# Altium PCB Brake Module PCB.PcbDoc (continued)
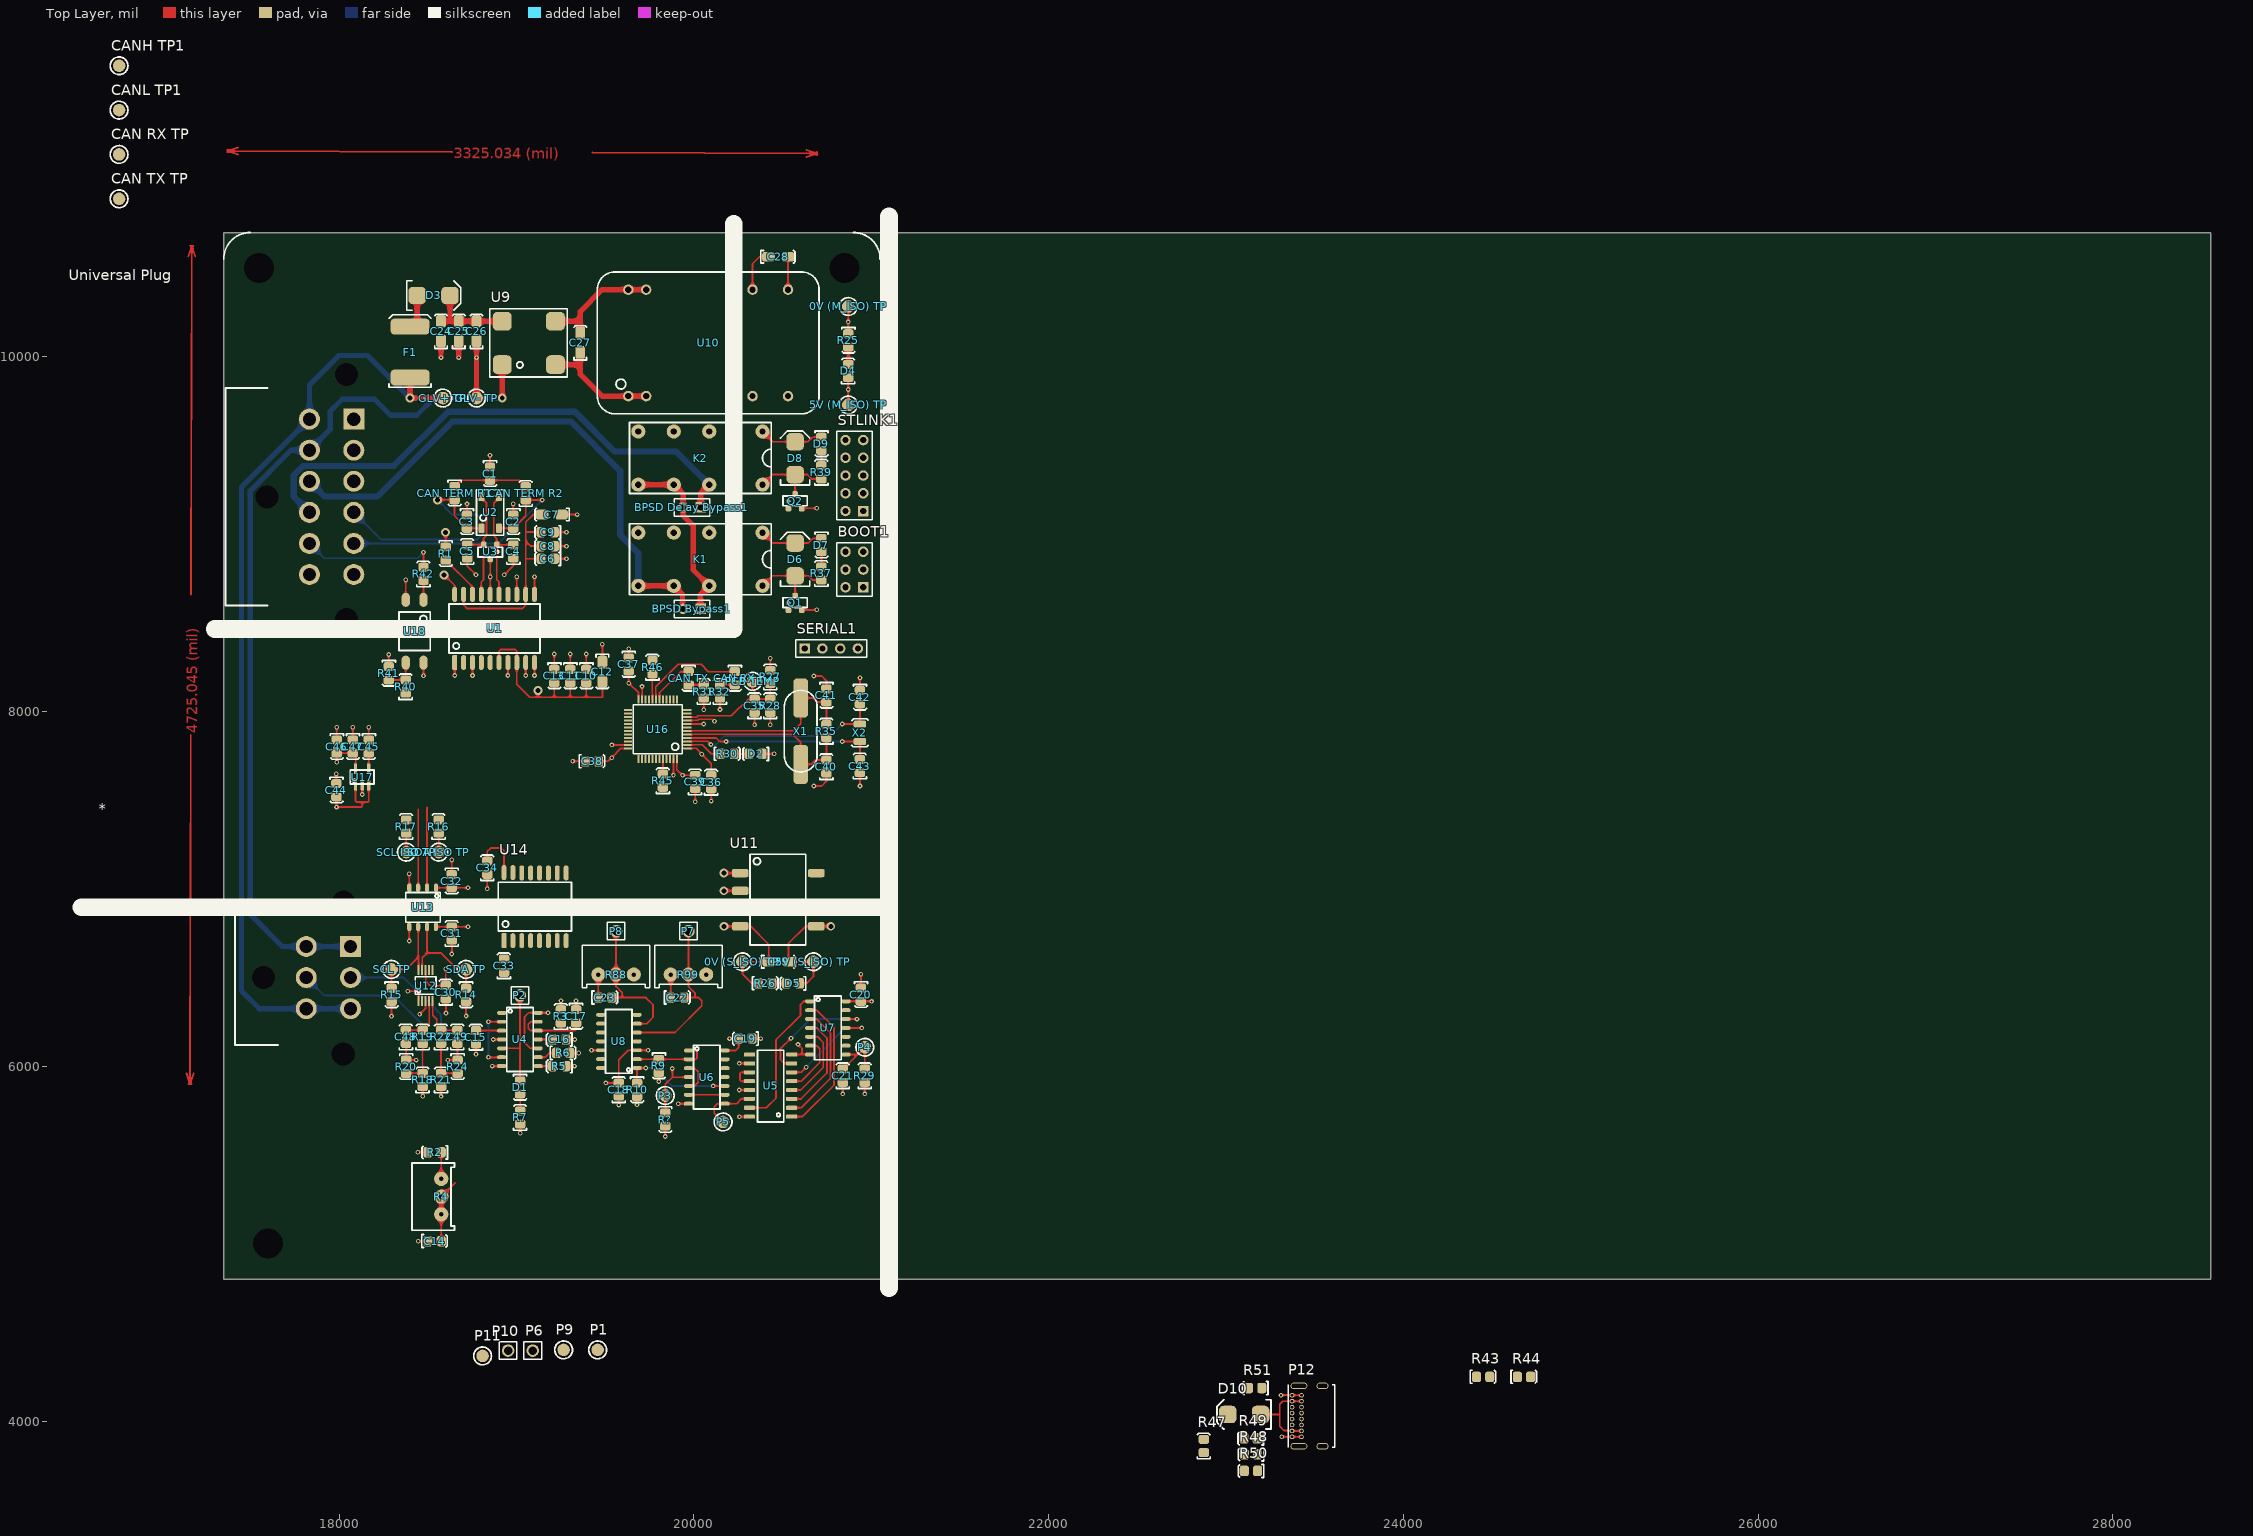
[diagram p0: Top Layer view]
## Part data
"0V (M_ISO) TP" "0V (S_ISO) TP" "5V (M_ISO) TP" "5V (S_ISO) TP" "CAN RX TP" "CAN TX TP" "CANH TP1" "CANL TP1" "GLV+ TP" "GLV- TP" P1 P3 P4 P5 P9 P11 "PCB TEMP" "SCL ISO TP" "SCL TP" "SDA ISO TP" "SDA TP": library part "SMD Test Point", Angle=0, Contact=NA, Flange=No, Part Number="SMD Test Point", Pitch=0mm, Positions=1, Row Spacing=0
*: library part DT13-6P[[/\]]DT13-6P, Digikey Part Number=1734-1025-ND, Angle=90, Contact="Copper Alloy", Digikey Link=https://www.digikey.com/product-detail/en/te-connectivity-deutsch-connectors/DT13-6P/1734-1025-ND/6566589, Flange=Yes, Part Number=DT13-6P, Pitch=4.44mm, Positions=6, Row Spacing=6.35mm
BOOT1: library part "TH 2.54mm Header 2x3", Angle=0, Contact=NA, Flange=No, Part Number="TH 2.54mm Header 2x3", Pitch=2.54mm, Positions=6, Row Spacing=2.54mm
"BPSD Bypass1" "BPSD Delay Bypass1": library part "TH 2.54mm Header 1x2", Angle=0, Contact=NA, Flange=No, Part Number="TH 2.54mm Header 1x2", Pitch=2.54mm, Positions=2, Row Spacing=2.54mm
C1 C40 C41 C42 C43: library part GCM21B5C1H220JA37L, Manufacturer=muRata, Rated Voltage=50V, Tolerance=5%, Material=C0G, Part Number=GCM21B5C1H220JA37L
C2 C3 C4 C5: library part GCM21B5C1H101JA37L, Manufacturer=muRata, Rated Voltage=50V, Tolerance=5%, Material=C0G, Part Number=GCM21B5C1H101JA37L
C6 C9 C11 C13 C18 C19 C20 C21 C22 C23 C30 C31 C32 C33 C34 C35 C37 C38 C39 C46 C48 C49: library part GCM21BR71E104KA37L, Manufacturer=muRata, Rated Voltage=25V, Tolerance=10%, Material=X7R, Part Number=GCM21BR71E104KA37L
C7 C12: library part GCM3195C2A103JA16D, Digikey Part Number=490-4978-2-ND, Manufacturer=muRata, Rated Voltage=100V, Tolerance=5%, Material=Ceramic, Part Number=GCM3195C2A103JA16D
C8 C10 C14 C17: library part GRM21BR6YA106KE43L, Digikey Part Number=490-10514-6-ND, Manufacturer=muRata, Rated Voltage=50V, Tolerance=10%, Material=X5R, Part Number=GRM21BR6YA106KE43L
C15 C16: library part GCM21B5C1H100JA37L, Manufacturer=muRata, Rated Voltage=50V, Tolerance=5%, Material=C0G, Part Number=GCM21B5C1H100JA37L
C24 C25 C26 C27 C28 C29: library part CC1206MKX5R7BB226, Digikey Part Number=311-1997-2-ND, Manufacturer=YAGEO, Rated Voltage=16V, Tolerance=20%, Material=Ceramic, Part Number=CC1206MKX5R7BB226
C36 C44 C47: library part AC0805KKX7R8BB105, Manufacturer=YAGEO, Rated Voltage=25V, Tolerance=10%, Material=X7R, Part Number=AC0805KKX7R8BB105
C45: library part GRM21BR61A226ME51L, Digikey Part Number=490-10511-1-ND, Manufacturer=muRata, Rated Voltage=10V, Tolerance=20%, Material=X5R, Part Number=GRM21BR61A226ME51L
"CAN RX" "CAN TX": library part SML-MN2BCTT86C, "LED BLUE CLEAR 2012 SMD", Digikey Part Number=846-1207-1-ND, Manufacturer="ROHM Semiconductor", Colour=Blue, Digikey Link=https://www.digikey.com/product-detail/en/rohm-semiconductor/SMLMN2BCTT86C/846-1207-1-ND/6057239, Part Number=SML-MN2BCTT86C
"CAN TERM R1" "CAN TERM R2": library part RC0805FR0756RL, Manufacturer=YAGEO, Rated Voltage=0.125W, Tolerance=0.01, Material=FR-07, Part Number=RC0805FR0756RL
D1: library part SML-211YTT86, "Yellow LED Indication - Discrete 1.75V 0805 (2012 Metric)", Digikey Part Number=511-1293-1-ND, Manufacturer="ROHM Semiconductor", Colour=Yellow, Digikey Link=https://www.digikey.com/product-detail/en/rohm-semiconductor/SML-211YTT86/511-1293-1-ND/637106, Part Number=SML-211YTT86
D2 D4 D5: library part SML-210LTT86, "Red LED Indication - Discrete 1.75V 0805 (2012 Metric)", Digikey Part Number=511-1286-1-ND, Manufacturer="ROHM Semiconductor", Colour=Red, Digikey Link=https://www.digikey.com/product-detail/en/rohm-semiconductor/SML-210LTT86/511-1286-1-ND/637099, Part Number=SML-210LTT86
D3 D6 D8 D10: "1.2V_F 600V 5A SMB", Digikey Part Number=1655-1530-2-ND, Manufacturer="SMC Diode Solutions", Digikey Link=https://www.digikey.com/product-detail/en/smc-diode-solutions/SD560BTR/1655-1530-2-ND/6022620, Part Number=SD560BTR
D7 D9: library part SML-210FTT86, "Green LED Indication - Discrete 1.75V 0805 (2012 Metric)", Digikey Part Number=511-1285-1-ND, Manufacturer="ROHM Semiconductor", Colour=Green, Digikey Link=https://www.digikey.com/product-detail/en/rohm-semiconductor/SML-210FTT86/511-1285-1-ND/637098, Part Number=SML-210FTT86
F1: "SMD 24V 2A Fuse", Digikey Part Number=507-1749-2-ND, Manufacturer="Bel Fuse Inc", Digikey Link=https://www.digikey.com/product-detail/en/bel-fuse-inc/0ZCF0200AF2C/507-1749-2-ND/4156090, Part Number=0ZCF0200AF2C
K1 K2: "5V DPDT Relay 3A 220VDC", Digikey Part Number=PB383-ND, Manufacturer=Axicom, Digikey Link=https://www.digikey.com/products/en?mpart=V23105A5001A201&v=41, Part Number=V23105A5475A201
P2 P6 P7 P8 P10: library part "TH Test Point", Angle=0, Contact=NA, Flange=No, Part Number="TH Test Point", Pitch=0mm, Positions=1, Row Spacing=0mm
P12: "USB - C (Type - C) USB 2.0 Receptacle Connector 16 Position Through Hole, Right Angle", Digikey Part Number=2073-USB4085-GF-ACT-ND, Angle=90, Digikey Link=https://www.digikey.ee/product-detail/en/gct/USB4085-GF-A/2073-USB4085-GF-ACT-ND/9859733, Part Number=USB4085-GF-A
Q1 Q2: "60V 380mA, NFET MOSTFET (Small Signal)", Digikey Part Number=2N7002KCT-ND, Manufacturer="ON Semiconductor", Digikey Link=https://www.digikey.com/product-detail/en/on-semiconductor/2N7002K/2N7002KCT-ND/2060375, LatestRevisionDate=29-May-2009, LatestRevisionNote="IPC-7351 Footprint Added.", PackageDescription="4-Pin SOT-343 Package 1.3 mm Pitch, 2.1 mm Lead Span", PackageReference=SOT-343, PackageVersion=Sep-2000, Part Number=2N7002K, Published=24-Mar-1999, Publisher="Altium Limited", Qty=30
R1 R18 R21: library part RC0805FR070RL, Manufacturer=YAGEO, Rated Voltage=0.125W, Tolerance=0.01, Material=FR-07, Part Number=RC0805FR070RL
R2 R27 R29 R41 R45 R46: library part RC0805FR0710KL, Manufacturer=YAGEO, Rated Voltage=0.125W, Tolerance=0.01, Material=FR-07, Part Number=RC0805FR0710KL
R3: library part RC0805FR071ML, Manufacturer=YAGEO, Rated Voltage=0.125W, Tolerance=0.01, Material=FR-07, Part Number=RC0805FR071ML
R4 R88 R99: library part 3296W-1-103LF, Digikey Part Number=3296W-103LF-ND, Manufacturer="Bournes Inc", Rated Voltage=0.5W, Tolerance=0.1, Part Number=3296W-1-103LF
R5 R6 R?: library part RC0805FR0720KL, Manufacturer=YAGEO, Rated Voltage=0.125W, Tolerance=0.01, Material=FR-07, Part Number=RC0805FR0720KL
R7 R47: library part RC0805FR071K5L, Manufacturer=YAGEO, Rated Voltage=0.125W, Tolerance=0.01, Material=FR-07, Part Number=RC0805FR071K5L
R9 R10 R14 R15 R16 R17: library part RC0805FR073K3L, Manufacturer=YAGEO, Rated Voltage=0.125W, Tolerance=0.01, Material=FR-07, Part Number=RC0805FR073K3L
R19 R22: library part RC0805FR071KL, Manufacturer=YAGEO, Rated Voltage=0.125W, Tolerance=0.01, Material=FR-07, Part Number=RC0805FR071KL
R20 R24: library part RC0805FR07200RL, Manufacturer=YAGEO, Rated Voltage=0.125W, Tolerance=0.01, Material=FR-07, Part Number=RC0805FR07200RL
R25 R26 R37 R39 R42: library part RC0805FR07680RL, Manufacturer=YAGEO, Rated Voltage=0.125W, Tolerance=0.01, Material=FR-07, Part Number=RC0805FR07680RL
R28: library part NTCS0805E3103FLT, Digikey Part Number=BC2733CT-ND, Manufacturer="Vishay Beyschlag", Rated Voltage=210mW, Tolerance=0.01, Part Number=NTCS0805E3103FLT
R30 R31 R32: library part RC0805FR07510RL, Manufacturer=YAGEO, Rated Voltage=0.125W, Tolerance=0.01, Material=FR-07, Part Number=RC0805FR07510RL
R35: library part RC0805FR0710ML, Manufacturer=YAGEO, Rated Voltage=0.125W, Tolerance=0.01, Material=FR-07, Part Number=RC0805FR0710ML
R40: library part RC0805FR07100RL, Manufacturer=YAGEO, Rated Voltage=0.125W, Tolerance=0.01, Material=FR-07, Part Number=RC0805FR07100RL
R43 R44 R50 R51: library part RC0805FR075K1L, Manufacturer=YAGEO, Rated Voltage=0.125W, Tolerance=0.01, Material=FR-07, Part Number=RC0805FR075K1L
R48 R49: library part RC0805FR0720RL, Manufacturer=YAGEO, Rated Voltage=0.125W, Tolerance=0.01, Material=FR-07, Part Number=RC0805FR0720RL
SERIAL1: library part "TH 2.54mm Header 1x4", Angle=0, Contact=NA, Flange=No, Part Number="TH 2.54mm Header 1x4", Pitch=2.54mm, Positions=4, Row Spacing=2.54mm
STLINK1: library part "TH 2.54mm Header 2x5", Angle=0, Contact=NA, Flange=No, Part Number="TH 2.54mm Header 2x5", Pitch=2.54mm, Positions=10, Row Spacing=2.54mm
U1: "Isolated CAN Transceiver", Digikey Part Number=ADM3053BRWZ-ND, Manufacturer="Analogue Devices", Digikey Link=https://www.digikey.com/product-detail/en/analog-devices-inc/ADM3053BRWZ/ADM3053BRWZ-ND/2709332, Part Number=ADM3053
U2: "100µH @ 100kHz 2 Line Common Mode Choke Surface Mount 5.8 kOhms @ 10MHz 150mA DCR 2Ohm", Digikey Part Number=495-4598-1-ND, Inductance="100µH @ 100kHz", Manufacturer="EPCOS (TDK)", Rated Current=150mA, Digikey Link=https://www.digikey.com/product-detail/en/epcos-tdk/B82787C0104H002/495-4598-2-ND/3680998, Impedence="5.8 kOhms @ 10MHz", Material=Wirewound, Part Number=B82787C0104H002
U3: "Dual Line CAN Bus Protector", Digikey Part Number=NUP2105LT1GOSCT-ND, Manufacturer="ON Semiconductor", Digikey Link=https://www.digikey.com/product-detail/en/on-semiconductor/NUP2105LT1G/NUP2105LT1GOSCT-ND/1485001, Part Number=NUP2105L
U4: "IC OSC TIMER DUAL 100KHZ 14SOIC", Digikey Part Number=296-26240-1-ND, Manufacturer="Texas Instruments", Digikey Link=https://www.digikey.com/product-detail/en/texas-instruments/NE556DR/296-26240-1-ND/2254905, Part Number=NE556DR
U5: "IC SHIFT REGISTR 8BIT 3ST 16SOIC", Digikey Part Number=MC74HC595ADR2GOSCT-ND, Manufacturer="ON Semiconductor", Digikey Link=https://www.digikey.com/product-detail/en/on-semiconductor/MC74HC595ADR2G/MC74HC595ADR2GOSCT-ND/1139727, Part Number=MC74HC595ADR2G
U6: "NAND Gate IC 4 Channel 14-SOIC", Digikey Part Number=296-1187-2-ND, Manufacturer="Texas Instruments", Digikey Link=https://www.digikey.com.au/product-detail/en/texas-instruments/SN74HC00DR/296-1187-2-ND/276830, Part Number=SN74HC00DR
U7: "IC GATE NAND 1CH 8-INP 14SOIC", Digikey Part Number=296-14521-1-ND, Manufacturer="Texas Instruments", Digikey Link=https://www.digikey.com/product-detail/en/texas-instruments/CD74HC30M96/296-14521-1-ND/555580, Part Number=CD74HC30M96
U8: "Comparator General Purpose Open Collector 14-SOIC", Digikey Part Number=296-6611-2-ND, Manufacturer="Texas Instruments", Digikey Link=https://www.digikey.com/product-detail/en/texas-instruments/LMV339MTX-NOPB/296-35446-1-ND/3739150, Part Number=LMV339IDR
U9: "5µH @ 100kHz 2 Line Common Mode Choke Surface Mount 500 Ohms @ 130MHz 5A DCR 5.5mOhm", Digikey Part Number=732-2214-6-ND, Inductance="5µH @ 100kHz", Manufacturer="Wurth Electronics Inc", Rated Current=5A, Digikey Link=https://www.digikey.com/product-detail/en/w-rth-elektronik/744273501/732-2214-6-ND/2175826, Impedence="500 Ohms @ 130MHz", Material=Wirewound, Part Number=744273501
U10: "DC DC CONVERTER 5V 4W", Digikey Part Number=JTC0424S05-ND, Input Voltage=9V-36V, Manufacturer="XP Power", Output Power=4W, Output Voltage=5V, Digikey Link=https://www.digikey.com/products/en?keywords=%20JTC0424S05, Efficiency=0.79, Isolation=Isolated, Part Number=JTC0424S05
U11: "Isolated Module DC DC Converter 1 Output 3.3V 606mA 4.5V - 5.5V Input", Digikey Part Number=945-1764-5-ND, Input Voltage=4.5V-5.5V, Manufacturer=Recom, Output Power=2W, Output Voltage=5V, Digikey Link=https://www.digikey.com/product-detail/en/recom-power/R2S-0505-HP/945-1764-5-ND/2302761, Efficiency=0.85, Isolation=Isolated, Part Number=R2S-0505/HP
U12: "16 Bit Analog to Digital Converter 2, 4 Input 1 Sigma-Delta 10-VSSOP", Digikey Part Number=296-38849-1-ND, Manufacturer="Texas Instruments", Digikey Link=https://www.digikey.com/product-detail/en/texas-instruments/ADS1115IDGSR/296-38849-1-ND/5142969, Part Number=ADS1115
U13: "I2C Digital Isolator (Multichannel)", Digikey Part Number=296-34871-1-ND, Manufacturer="Texas Instruments", Digikey Link=https://www.digikey.com/product-detail/en/texas-instruments/ISO1540DR/296-34871-1-ND/3587214, Part Number=ISO1540DR
U14: "General Purpose Digital Isolator 2500Vrms 6 Channel 1Mbps 35kV/µs CMTI 16-SOIC (0.154\", 3.90mm Width)", Digikey Part Number=336-4410-ND, Manufacturer="Silicon Labs", Digikey Link=https://www.digikey.com/product-detail/en/silicon-labs/SI8660AB-B-IS1/336-4410-ND/4576756, Part Number=SI8660AB-B-IS1
U16: "ARM® Cortex®-M3 STM32F1 Microcontroller IC 32-Bit 72MHz 64KB (64K x 8) FLASH", Digikey Part Number=497-6063-ND, Manufacturer=STMicroelectronics, Digikey Link=https://www.digikey.com/product-detail/en/stmicroelectronics/STM32F103C8T6/497-6063-ND/1646338, Part Number=STM32F103C8T6
U17: "IC REG LINEAR 3.3V 300MA SOT23-5", Digikey Part Number=1028-1014-1-ND, Manufacturer=Richtek, Digikey Link=https://www.digikey.com/products/en?keywords=1028-1014-1-ND, Part Number=RT9193-33GB
U18: "35V 50ma Optocoupler (VF=1.2V)", Digikey Part Number=160-1893-2-ND, Manufacturer="Lite-On Inc", Digikey Link=https://www.digikey.com/product-detail/en/lite-on-inc/LTV-817S-TA1/160-1893-2-ND/388451, Part Number=LTV-817S-TA1
"Universal Plug": library part DT13-12P[[/\]]DT13-12P, Digikey Part Number=1734-1451-ND, Angle=90, Contact=Nickel, Digikey Link=https://www.digikey.com.au/product-detail/en/te-connectivity-deutsch-connectors/DT13-12PA/1734-1451-ND/7220123, Flange=Yes, Part Number=DT13-12P, Pitch=4.44mm, Positions=12, Row Spacing=6.35mm
X1: library part ABLS-8.000MHZ-B4-T, Digikey Part Number=535-10212-2-ND, Load Capacitance=18pF, Manufacturer="Abracon LLC", Digikey Link=https://www.digikey.com/product-detail/en/abracon-llc/ABLS-8.000MHZ-B4-T/535-10212-2-ND/2184155, ESR=80R, Part Number=ABLS-8.000MHZ-B4-T
X2: library part "FC-135 32.7680KA-A5", Digikey Part Number=SER4103TR-ND, Load Capacitance=12.5pF, Manufacturer=EPSON, Digikey Link=https://www.digikey.com/product-detail/en/epson/FC-135-32.7680KA-A5/SER4103TR-ND/5259895, ESR=70k, Part Number="FC-135 32.7680KA-A5"

## Free pads (board coordinates)
  round 0 hole 169.29: 2(20850,10500) 5(17600,5000)
  round 9 hole 169.29: 3(17550,10500)

## Via types
v1: diameter 26, hole 13, Top Layer to Bottom Layer, 124 vias
v2: diameter 50, hole 28, Top Layer to Bottom Layer, 10 vias
v3: diameter 26, hole 16, Top Layer to Bottom Layer, 1 vias

## Nets (pads, with @x,y where several pads share a name; then routed paths per layer and width w, separated by ;. In a path a pad name is that pad's centre, name@x,y a point inside that pad or via, vN(x,y) a via of type N, cw(c..) or ccw(c..) an arc to the next point about the centre after c; other vN are vias at no path point)
"0V (ISO)": P12.A1 P12.A12 P12.B1 P12.B12 P12.P1 R50.2 R51.2 | length 227.8
  Top Layer w10: v1(23310,4146) 23371.67,4146 P12.A12 P12.B1 ; v1(23314,3911) 23372.41,3911 P12.A1 P12.B12
"0V (M_ISO)": "0V (M_ISO) TP.1" BOOT1.5 BOOT1.6 C10.1 C11.1 C12.1 C13.1 C28.1 C32.1 C34.1 C35.1 C36.1 C37.1 C38.1 C39.1 C40.1 C41.1 C42.1 C43.1 C44.1 C45.1 C46.1 C47.1 Q1.S Q2.S R25.1 R28.1 R31.1 R32.1 R41.1 SERIAL1.4 STLINK1.1 U1.1 U1.3 U1.7 U1.9 U1.10 U10.16 U11.1 U13.4 U14.9 U16.8 U16.23 U16.35 U16.47 U17.2 | length 3312.2
  Top Layer w8: U16.23 v1(19707.85,8141.29) ; v1(20342.46,7925.9) C35.1 ; v1(20431.43,7924.87) R28.1
  Top Layer w10: v1(17985,7649) 17985,7594.15 C44.1 ; C46.1 v1(17986.97,7910.8) ; C47.1 v1(18077.97,7910.8) ; v1(18130.4,7532) U17.2 ; C45.1 v1(18167.8,7910.8) ; R41.1 v1(18279.93,8321) ; U13.4 v1(18396,7086) ; C32.1 v1(18634.8,7164.2) ; v1(18652,8203) U1.1 ; v1(18752,8203) U1.3 ; v1(18836.03,7001.03) C34.1 ; v1(18952,8203) U1.7 ; v1(19052,8203) U1.9 ; v1(19102,8203) U1.10 ; C13.1 v1(19213.54,8323.71) ; C11.1 v1(19303.54,8323.71) ; v1(19316.43,7718.84) C38.1 ; C10.1 v1(19393.54,8323.71) ; C12.1 v1(19484.57,8378.43) ; v1(19537.85,7811.29) U16.35 ; C37.1@19633,8302.6 v1(19633,8354) ; v1(19885.02,7639.87) U16.47 ; U16.8 v1(20055.96,7929.4) ; v1(20007.46,7490.9) C39.1 ; v1(20056.43,8009.87) R31.1 ; v1(20098.46,7494.87) C36.1 ; v1(20147.46,8010.9) R32.1 ; v2(20169,7089) U11.1 ; U10.16 20331,10524 20370,10563 C28.1 ; Q1.S v1(20693.63,8572.63) ; Q2.S v1(20693.63,9145.63) ; v1(20676.43,7579.87) 20721.43,7579.87 20747.46,7605.9 C40.1 ; v1(20676.43,8199.87) 20721.43,8199.87 20747.46,8173.84 C41.1 ; R25.1 v1(20870.8,10196) 20870.8,10283 ; v1(20936.43,7579.87) C43.1 ; C42.1 v1(20936.43,8189.87)
"0V (S_ISO)": "0V (S_ISO) TP.1" C14.1 C15.1 C16.1 C17.1 C18.1 C19.1 C20.1 C21.1 C22.1 C23.1 C29.1 C30.1 C31.1 C33.1 C48.1 C49.1 R6.2 R7.1 R20.1 R24.1 R26.1 R29.1 R88.1 R99.1 R?.2 U4.7 U5.8 U5.13 U6.7 U7.7 U8.12 U11.4 U12.3 U13.5 U14.8 | length 2676.7
  Top Layer w8: v1(18454,6293) 18488,6327 U12.3
  Top Layer w10: C48.1@18378.2,6128.13 R20.1 v1(18434.35,6034.87) ; v1(18396,6706) U13.5 ; v1(18447,5013.97) C14.1 ; C30.1 18603.03,6379.13 v1(18603.03,6299) ; v1(18612.52,6034.87) 18612.64,6035 18667.9,6035 R24.1 C49.1@18668.03,6128.13 ; v1(18636.03,6633) C31.1 ; v1(18772,6068) C15.1@18772,6122.13 ; v1(18864,6001) U4.7 ; v1(19021.03,5622.03) R7.1 ; C16.1 v1(19329,6151) ; R6.2 v3(19351.24,6074.76) ; C17.1 v1(19335.97,6369) ; v1(19423,6090) U8.12 ; C23.1 R88.1 ; v1(19577.36,5781) C18.1 ; v1(19838.38,5604) R?.2 ; C22.1 R99.1 ; v1(19912,5789) U6.7 ; v2(20170,6789) U11.4 20320,6789 20422.82,6686.18 C29.1 20274,6589 20274,6521 20327.46,6467.54 R26.1 ; v1(20256,5866) U5.13 ; C19.1 v1(20377,6156) ; U5.8 20610,6066 ; v1(20587,6123) 20610,6100 20610,6066 ; U7.7 20610,6066 ; v1(20840.03,5844.03) C21.1 ; C20.1@20942,6439.87 C20.1 v1(20942,6519) ; v1(20964,5844.03) R29.1@20964,5908.13
"3.3V (M_ISO)": BOOT1.1 BOOT1.2 C36.2 C37.2 C38.2 C39.2 C46.2 C47.2 D2.A R27.2 SERIAL1.1 STLINK1.7 STLINK1.8 U16.1 U16.9 U16.24 U16.36 U16.48 U17.5 | length 1326.9
  Top Layer w8: v1(17986.97,7714) C46.2 C47.2 18093,7750.04 U17.5 ; C38.2 19515.4,7718.84 v1(19536.43,7739.87) 19588.17,7791.6 U16.36 ; C37.2 19632.97,8227.15 v1(19632.97,8159.87) 19633.13,8159.87 19688.17,8104.83 U16.24 ; U16.48 19904.7,7671.6 v1(19936.43,7639.87) C39.2 ; U16.1 20012.7,7791.6 v1(20045.43,7758.87) 20098.46,7705.84 C36.2 ; U16.9 20021.6,7949.09 20028.92,7956.4 20104.91,7956.4 v1(20116.43,7944.87) ; R27.2 v1(20431.43,8299.87)
  Top Layer w10: D2.A v1(20453.46,7760.9)
5kW: "Universal Plug.8" R42.2 | length 775.3
  Top Layer w10: R42.2 v1(18476,8897)
  Bottom Layer w10: 17833,8947.21 17916.21,8864 18443,8864 v1(18476,8897)
"5kW (M_ISO)": R40.1 U14.15 U16.29
"5V (ISO)": D10.K R43.2 R44.2 R47.2
"5V (M_ISO)": "5V (M_ISO) TP.1" C10.2 C11.2 C12.2 C13.2 C28.2 C32.2 C34.2 C44.2 D4.A D6.K D7.A D8.K D9.A K1.1 K2.1 R16.2 R17.2 U1.6 U1.8 U10.14 U11.2 U13.1 U14.16 U17.1 U17.3 U18.4 | length 3439
  Top Layer w10: C44.2 v1(17985.35,7461) 18125.14,7461 18131,7466.86 18131,7489 ; U17.1 18093,7494.86 18098.86,7489 18131,7489 ; U17.3 18167.8,7494.86 18161.94,7489 18131,7489 ; v1(18476,8202) U18.4 ; U13.1 C32.2 v1(18727,7006) ; C34.2 18836.03,7211.03 18855,7230 18915,7230 18930,7215 U14.16 ; U1.6 18902,8340 18912,8350 18992,8350 19002,8340 U1.8 19002,8153 19075,8080 19121,8080 ; v2(19121,8119) 19121,8080 ; C13.2 19213.54,8080 ; C11.2 19303.54,8080 ; C10.2 19393.54,8080 ; C12.2 19484.57,8080 19393.54,8080 ; v2(20169,6989) U11.2 ; K1.1 20445.46,8949.54 D6.K 20645.54,8949.54 20671.6,8975.6 D7.A ; K2.1 20445.46,9520.2 D8.K 20643.2,9520.2 20669.26,9546.26 D9.A@20717.97,9546.26 ; U10.14 C28.2 ; 20870.8,9728 v1(20870.8,9815) D4.A ; 19121,8080 19213.54,8080 ; 19213.54,8080 19303.54,8080 ; 19303.54,8080 19393.54,8080
"5V (S_ISO)": "5V (S_ISO) TP.1" C18.2 C19.2 C20.2 C29.2 C30.2 C31.2 C33.2 D5.A R2.2 R3.2 R5.1 R9.2 R10.2 R14.2 R15.2 R88.3 R99.3 U4.4 U4.10 U4.14 U5.10 U5.16 U6.14 U7.14 U8.3 U11.5 U12.1 U12.8 U13.8 U14.1 | length 2947
  Top Layer w8: v1(18388,6423) 18432.39,6423 18448.63,6406.76 U12.1 ; U12.8@18488,6540.98 18488,6481 18514.07,6454.93 C30.2
  Top Layer w10: v1(18295.54,6282.57) 18295.97,6283 R15.2 ; v1(18444.03,5515.03) R2.2 ; U13.8 C31.2 v1(18727,6786) ; C30.2 v1(18602.03,6550) ; v1(18716,6283) R14.2 ; v1(18869.94,6151) U4.4 ; U4.10 19078,6101 19046,6133 19046,6279 19068,6301 U4.14 v1(19178,6301) ; R3.2 v1(19251.03,6369) ; R5.1 v1(19327,6001) ; v1(19503,5905.93) C18.2 19577.36,6037.36 19630,6090 U8.3 v1(19742,6090) ; v1(19679.72,5782) R10.2 ; v1(19802.97,5914) R9.2 ; U6.14 20236,6089 20253,6106 C19.2 v1(20201,6156) ; v1(20256,6016) U5.10 ; v1(20257,5716) U5.16 ; D5.A 20635.54,6467.54 20674,6506 20674,6589 C29.2 20533.06,6692.06 20630,6789 U11.5 v2(20772,6789) ; U7.14 C20.2 ; C20.2@20942.93,6366 v1@21001.07,6366 ; v1@21001.07,6366.46 v1(21002,6365.54)
BOOT0: BOOT1.3 R45.1
BOOT1: BOOT1.4 R46.2
"BSPD DELAY (M_ISO)": Q2.G U14.13 U16.25
"BSPD OK": C21.2 P4.1 R5.2 R29.2 U4.8 U7.8 U14.3 | length 445.4
  Top Layer w10: U4.8 R5.2 ; C21.2 20840.93,5983.93 20923,6066 ; U7.8 20923,6066 ; R29.2 P4.1 20923,6066
"BSPD OK (M_ISO)": Q1.G U14.14 U16.30
"CAN RX INDC": "CAN RX.A" U16.19 | length 585.8
  Top Layer w8: U16.19 19786.59,8140.03 19912.42,8265.86 20040.45,8265.86 20081.63,8224.67 20230.4,8224.67
"CAN TX INDC": "CAN TX.A" U16.18 | length 251.3
  Top Layer w10: U16.18 19806.28,8104.72 19926.23,8224.67 19970.4,8224.67
CANH: "CAN TERM R1.2" "Universal Plug.4" C3.2 U2.1 | length 1548.7
  Top Layer w10: v2(18555,9193.07) 18650.97,9193.07 18650.97,9102.87 C3.2 U2.1
  Bottom Layer w10: 18083,9122.41 18083,9122 18235,8970 18780,8970 18810,9000 18810,9075 18775,9110 18638.07,9110 v2(18555,9193.07)
CANL: "CAN TERM R2.1" "Universal Plug.5" C2.2 U2.2 | length 1524.9
  Top Layer w10: U2.2 C2.2 19053.03,9103.9 19053.03,9192.13 v1(19145,9192.13)
  Bottom Layer w10: 18083,8947.21 18900.09,8947.21 v1(19145,9192.13)
CANS: "Universal Plug.1" C1.1 C2.1 C3.1 C4.1 C5.1 C6.1 C7.1 C8.1 C9.1 R1.1 U1.11 U1.13 U1.16 U1.20 U3.3 | length 1334.4
  Top Layer w10: v2(18592,8770) 18652,8710 U1.20 ; R1.1 v2(18600.97,9010) ; C3.1 v1(18720.97,9170.03) ; C5.1 18723.03,8818.97 v1(18772,8770) ; C1.1 v1(18850.97,9445) ; U1.16 v1(18852,8760) U3.3 ; v1(18932,8770) 18983.03,8821.03 C4.1 ; C2.1 v1(18982,9171) ; U1.13 v1(19002,8760) ; U1.11 v1(19102,8760) ; C6.1 v1(19282,8861.03) ; C8.1 v1(19282,8932.03) ; C9.1 19214.59,9010 v1(19282,9010) ; C7.1 v1(19342,9110)
CLOCK: D1.A P1.1 P2.1 U4.5 U5.11 U5.12 U14.5 | length 734.5
  Top Layer w10: U4.5 19019.64,6101 P2.1 ; D1.A 19020.13,6100.87 ; U5.12 20265.86,5916 20260,5921.86 20260,5960.14 20265.86,5966 U5.11
GLV+: "GLV+ TP.1" "Universal Plug.12" *.3 *.4 F1.1 | length 5266.8
  Top Layer w30: F1.1 v2(18400,9766.84) 18585,9766.84
  Bottom Layer w30: *.3 *.4 17814.61,6325 17550,6325 17450,6425 17450,9265 17833,9648 17833,9840.88 17998.75,10006.62 18160.22,10006.62 v2(18400,9766.84)
GLV-: "GLV- TP.1" "Universal Plug.11" *.1 *.6 C24.1 C25.1 C26.1 U9.1 U18.2 | length 5612.3
  Top Layer w10: U18.2 v1(18376,8742)
  Top Layer w30: v1(18575,9995) C24.1 ; v1(18675,9995) C25.1 ; 18775,9766.84 v1(18775,9995) C26.1 ; v2(18920,9766.84) U9.1
  Bottom Layer w30: *.1 *.6 17680,6675 17500,6855 17500,9244 17728.81,9472.8 17833,9472.8 17833,9473 17950,9590 17950,9691.79 18018.21,9760 18200,9760 18290,9670 18438.16,9670 18535,9766.84 v2(18920,9766.84)
"Green Loop IN": "BPSD Bypass1.2" "Universal Plug.10" K1.9 K1.11 | length 3120.2
  Top Layer w30: K1.9 K1.11 19936,8659 19936,8581.01 19939,8578.01
  Bottom Layer w35: 17833,9297.61 17919.56,9211.05 18216.05,9211.05 18640,9635 19305,9635 19585,9355 19585,8994.75 19687,8892.75 K1.9
"Green Loop OUT": "BPSD Delay Bypass1.1" "Universal Plug.9" K2.13 | length 3055.3
  Top Layer w30: 20039,9150 20039,9230.66 K2.13
  Bottom Layer w35: 17833,9122.41 17745,9210.41 17745,9332.01 17797.15,9384.16 18309.16,9384.16 18615,9690 19330,9690 19555,9465 19900.66,9465 K2.13
"H REF": C22.2 P7.1 R99.2 U8.5 U8.9 U12.6 | length 954.4
  Top Layer w10: U8.5 19894,6190 20045,6341 20045,6369 20027.03,6386.97 20007,6386.97 ; C22.2 20007,6386.97 ; P7.1 R99.2 19969.61,6449.39 20007,6412 20007,6386.97
"L REF": C23.2 P8.1 R88.2 U8.6 U8.10 U12.7 | length 815.6
  Top Layer w10: C23.2 19596,6386.97 ; P8.1 19561.61,6449.39 19596,6415 19596,6386.97 ; U8.6 19734,6240 19770,6276 19770,6347 19730.03,6386.97 19596,6386.97
"NetBPSD Bypass1_1": "BPSD Bypass1.1" "BPSD Delay Bypass1.2" K1.13 K2.9 K2.11 | length 1005
  Top Layer w30: K2.9 K2.11 19940,9225.66 19940,9105 19996,9049 19996,8799 K1.13 20037,8658 20037,8580.01 20039,8578.01
NetC1_2: "CAN TERM R1.1" "CAN TERM R2.2" C1.2 | length 431.6
  Top Layer w10: 18650.97,9267.87 18686.1,9303 18850.9,9303 C1.2 19016.89,9303.07 19053.03,9266.93
NetC4_2: "CANL TP1.1" C4.2 U1.15 U2.3 U3.1 | length 670.2
  Top Layer w10: U2.3 18901.21,9203.14 18872,9173.93 18872,8992 18889.4,8974.6 U3.1 ; U1.15 18902,8730 18889.4,8742.6 U3.1 ; C4.2 U3.1
NetC5_2: "CANH TP1.1" C5.2 U1.17 U2.4 U3.2 | length 667.7
  Top Layer w10: C5.2 U3.2 ; U1.17 18802,8730 18814.6,8742.6 U3.2 ; U2.4 18802.79,9203.21 18831.5,9174.5 18831.5,8993.5 18814.6,8976.6 U3.2
NetC6_2: C6.2 C7.2 C8.2 C9.2 U1.12 U1.19 | length 1277
  Top Layer w10: U1.19 18702,8600 18722,8580 19032,8580 19052,8600 U1.12 19052,8860 ; C6.2 19053.03,8861.03 19052,8860 ; C8.2 19079.97,8932.03 19052,8960 ; C9.2 19053.03,9011.03 19052,9010 ; C7.2 19093.69,9110 19052,9068.31 19052,9010 ; 19052,8860 19052,8960 ; 19052,8960 19052,9010
NetC15_2: C15.2 U4.3 | length 145.3
  Top Layer w10: C15.2 U4.3
NetC16_2: C16.2 U4.11 | length 82.1
  Top Layer w10: U4.11 C16.2
NetC17_2: C17.2 R3.1 U4.12 U4.13 | length 442.9
  Top Layer w10: U4.13 19080,6251 19066,6237 19066,6214 19079,6201 U4.12 19251.03,6201 ; R3.1 19251.03,6201 ; C17.2 19335.97,6206.86 19330.11,6201 19251.03,6201
NetC24_2: C24.2 C25.2 C26.2 D3.K U9.4 | length 490.2
  Top Layer w30: C24.2 18625,10199.88 ; D3.K 18625.2,10200.08 18625,10199.88 ; U9.4 C26.2 C25.2 18625,10199.88
NetC27_1: C27.1 U9.2 U10.2 U10.3 | length 686.3
  Top Layer w30: U9.2 19360,9955 ; C27.1 19360,9955 ; U10.3 U10.2 19482.17,9777.83 19360,9900 19360,9955
NetC27_2: C27.2 U9.3 U10.22 U10.23 | length 682
  Top Layer w30: U9.3 19360,10199.88 ; C27.2 19360,10199.88 ; U10.22 U10.23 19482.83,10377.83 19360,10255 19360,10199.88
NetC45_2: C45.2 U17.4 | length 88.1
  Top Layer w10: U17.4 C45.2
NetC48_2: C48.2 P6.1 R19.2 U8.4 U8.7 U12.4 | length 274.1
  Top Layer w8: R19.2 18507.69,6238.58 U12.4
  Top Layer w10: C48.2@18378.2,6202.93 R19.2
NetC49_2: C49.2 P10.1 R22.2 U8.8 U8.11 U12.5 | length 277.1
  Top Layer w8: U12.5@18527.31,6368.32 18527.31,6287.69 18550,6265 18550,6228.78 18575.03,6203.75 R22.2 C49.2
"NetCAN RX TP_1": "CAN RX TP.1" U1.4 U16.46
"NetCAN RX_K": "CAN RX.K" R32.2 | length 82.9
  Top Layer w10: R32.2 20230.4,8149.87
"NetCAN TX TP_1": "CAN TX TP.1" U1.5 U16.45
"NetCAN TX_K": "CAN TX.K" R31.2 | length 86
  Top Layer w10: 19970.4,8149.87 R31.2
NetD1_K: D1.K R7.2 | length 94.6
  Top Layer w10: D1.K 19021.03,5842.17 R7.2
NetD2_K: D2.K R30.2 | length 84.1
  Top Layer w10: R30.2 D2.K
NetD3_A: D3.A F1.2 | length 197.8
  Top Layer w30: F1.2 18410.46,10170 18440.16,10199.69 D3.A
NetD4_K: D4.K R25.2 | length 97.6
  Top Layer w20: D4.K R25.2
NetD5_K: D5.K R26.2 | length 81.2
  Top Layer w10: R26.2 D5.K
NetD6_A: D6.A K1.16 Q1.D R37.1 | length 478.7
  Top Layer w10: K1.16 20443.5,8764.5 D6.A ; Q1.D D6.A ; R37.1 20671.4,8740.4 20647.31,8764.5 D6.A
NetD7_K: D7.K R37.2 | length 85.6
  Top Layer w10: R37.2 D7.K
NetD8_A: D8.A K2.16 Q2.D R39.1 | length 476.4
  Top Layer w10: K2.16 20443.5,9335.16 D8.A ; Q2.D D8.A ; R39.1 20664.94,9311.06 20640.84,9335.16 D8.A
NetD9_K: D9.K R39.2 | length 85.6
  Top Layer w10: R39.2 D9.K
NetD10_A: D10.A P12.A4 P12.A9 P12.B4 P12.B9 | length 495.5
  Top Layer w10: D10.A 23303,4037 ; P12.B9 P12.A4 23370.88,3946 23327,3946 23303,3970 23303,4032 23303,4037 ; P12.B4 P12.A9 23320.66,4111.66 23303,4094 23303,4037
NetP3_1: P3.1 R?.1 U6.4 U14.2 | length 356.4
  Top Layer w10: R?.1 19839,5737.62 P3.1 19839,5897.54 19879.87,5938.41 19969.69,5938.41 U6.4 ; 19879,5939.87 v1(19879,5987)
NetP5_1: P5.1 U5.14 U6.8 | length 323.9
  Top Layer w10: P5.1 20115,5736 20115,5772 20132,5789 20241,5789 20268,5816 U5.14
NetP9_1: P9.1 R9.1 U6.1 U6.2 U8.2 U8.14 U14.6 | length 428.9
  Top Layer w10: U8.2 19680.72,6039 R9.1 U6.2 20012.14,6039 20018,6044.86 20018,6082 20011,6089 U6.1
NetP11_1: P11.1 R10.1 U6.10 U8.1 U8.13 U14.7 | length 622.1
  Top Layer w10: R10.1 U8.1 v1(19729,5990) ; v1(20109,5889) U6.10
  Bottom Layer w10: v1(19729,5990) 19774.4,5990 19875.4,5889 v1(20109,5889)
NetP12_A5: P12.A5 R50.1
NetP12_A6: P12.A6 P12.B6 R48.1
NetP12_A7: P12.A7 P12.B7 R49.1
NetP12_B5: P12.B5 R51.1
NetR1_2: R1.2 U1.18 | length 255.6
  Top Layer w10: R1.2 18752,8702.04 U1.18
NetR2_1: R2.1 R4.3 U4.1 | length 152.9
  Top Layer w10: R2.1 R4.3 R4.3@18578,5367
NetR6_1: R6.1 U4.9 U14.4 | length 114
  Top Layer w10: U4.9 19162,6051 19185.76,6074.76 R6.1
NetR14_1: "SDA TP.1" R14.1 U12.9 U13.7 | length 620
  Top Layer w10: U12.9@18468.63,6541.61 18468.63,6610.63 18496,6638 ; U13.7 18496,6638 ; R14.1 18716,6546 18714.57,6547.43 18665.57,6547.43 18575,6638 18496,6638
NetR15_1: "SCL TP.1" R15.1 U12.10 U13.6 | length 529.8
  Top Layer w10: R15.1 18295.97,6546 18378,6546 18446,6614 ; U13.6 18446,6614 ; U12.10 18448.63,6611.37 18446,6614
NetR16_1: "SDA ISO TP.1" R16.1 R43.1 U13.2 U16.42 | length 627.4
  Top Layer w10: 18495,7460 18496,7459 18496,7207 ; U13.2 18496,7207 ; R16.1 18562,7207 18496,7207
NetR17_1: "SCL ISO TP.1" R17.1 R44.1 U13.3 U16.43 | length 617.4
  Top Layer w10: R17.1 18379,7207 18446,7207 ; U13.3 18446,7207 ; 18447,7449 18446,7448 18446,7207
NetR18_2: R18.2 R19.1 R20.2 | length 261.9
  Top Layer w10: R20.2 18472.03,5960.07 R19.1
NetR21_2: R21.2 R22.1 R24.2 | length 261.1
  Top Layer w10: R22.1 R21.2 R24.2
NetR40_2: R40.2 R41.2 U18.3 | length 193.1
  Top Layer w10: R41.2@18279.93,8177.93 R40.2 U18.3
NetR42_1: R42.1 U18.1 | length 108.7
  Top Layer w10: U18.1 R42.1
NetR45_2: R45.2 U16.44 | length 85.7
  Top Layer w10: U16.44 19825.96,7647 R45.2
NetR46_1: R46.1 U16.20 | length 144.9
  Top Layer w8: U16.20 R46.1@19766.91,8212.13
NetU5_1: U5.1 U7.2 | length 814.5
  Top Layer w10: U5.1 20612,5716 20790,5894 20790,6219 20693,6316 U7.2
NetU5_2: U5.2 U7.3 | length 694.3
  Top Layer w10: U5.2 20605,5766 20770,5931 20770,6189.72 20693.72,6266 U7.3
NetU5_3: U5.3 U7.4 | length 576.7
  Top Layer w10: U5.3 20604,5816 20750,5962 20750,6159 20693,6216 U7.4
NetU5_4: U5.4 U7.5 | length 462.5
  Top Layer w10: U5.4 20603,5866 20730,5993 20730,6134 20698,6166 U7.5
NetU5_5: U5.5 U7.6 | length 344.1
  Top Layer w10: U5.5 20605,5916 20710,6021 20710,6099 20693,6116 U7.6
NetU5_6: U5.6 U7.11 | length 589
  Top Layer w10: U5.6 20605,5966 v1(20634,5995) ; U7.11 v1(20947,6216)
  Bottom Layer w10: v1(20634,5995) 20634,5996 20854,6216 v1(20947,6216)
NetU5_7: U5.7 U7.12 | length 696.4
  Top Layer w10: v1(20548,6158) 20488,6098 20488,6038 20510,6016 U5.7 ; U7.12 v1(20920,6266)
  Bottom Layer w10: v1(20548,6158) 20656,6266 v1(20920,6266)
NetU5_15: U5.15 U7.1 | length 815.4
  Top Layer w10: U5.15 20409,5766 20463,5820 20463,6149 20602,6288 20602,6348 20620,6366 U7.1
NetU6_3: U6.3 U6.5 | length 185.4
  Top Layer w10: U6.5 20005,5889 20025,5909 20025,5968 20004,5989 U6.3
NetU6_6: U6.6 U6.9 | length 204.7
  Top Layer w10: U6.6 U6.9
NetU14_10: U14.10 U16.28
NetU14_11: U14.11 U16.27
NetU14_12: U14.12 U16.26
NRST: STLINK1.2 U16.7
PC13: R30.1 U16.2 | length 208.8
  Top Layer w8: U16.2@19963.76,7811.6 20047.83,7811.6 20098.53,7760.9 R30.1
"PCB TEMP": "PCB TEMP.1" C35.2 R27.1 R28.2 U16.10 | length 701.6
  Top Layer w8: U16.10 20015.83,7968.77 20021.94,7974.87 20211.43,7974.87 20305.62,8069.06 20341.85,8069.06 C35.2 ; 20331.43,8169.87 20331.43,8124.87 20342.46,8113.84 C35.2 ; R27.1 R28.2 C35.2
"Sensor 1 In": *.2 R21.1 | length 1112.2
  Top Layer w10: v1(18575.03,5830) R21.1
  Bottom Layer w10: *.2 18365.2,6499.8 18575.03,6289.97 v1(18575.03,5830)
"Sensor 2 In": *.5 R18.1 | length 1223.4
  Top Layer w10: v1(18471.03,5831) R18.1
  Bottom Layer w10: *.5 17916.14,6398.66 18306.34,6398.66 18471.03,6233.97 v1(18471.03,5831)
SWCLK: STLINK1.3 U16.37
SWDIO: STLINK1.5 U16.34
Trig/Thres: C14.2 R4.1 R4.2 U4.2 U4.6 | length 713.4
  Top Layer w10: C14.2 R4.1 R4.2 18654,5343 ; v1@18841.94,6050 18916.28,6050 U4.6 ; v1(18841.94,6251) U4.2
  Bottom Layer w10: v1@18841.94,6050 v1(18841.94,6051) v1(18841.94,6251)
UARTRX: SERIAL1.3 U16.13
UARTTX: SERIAL1.2 U16.12
USBDM: R49.2 U16.32
USBDP: R47.1 R48.2 U16.33
XTALA: C40.2 R35.1 U16.5 X1.1 | length 1061.6
  Top Layer w8: U16.5 20557.96,7870.34
  Top Layer w10: 20557.96,7870.34 20602.43,7825.87 X1.1 20662.47,7701.91 20687.36,7726.8 C40.2 R35.1
XTALB: C41.2 R35.2 U16.6 X1.2 | length 1080.6
  Top Layer w8: U16.6@19963.76,7890.34 20560.91,7890.34
  Top Layer w10: 20560.91,7890.34 20602.43,7931.87 X1.2 20671.95,8075.93 20694.93,8052.94 C41.2 R35.2
XTALC: C42.2 U16.3 X2.1 | length 1143
  Top Layer w8: U16.3@19963.76,7831.6 20078.57,7831.6
  Top Layer w10: 20078.57,7830.6 20095.3,7813.87 v1(20096.3,7813.87) ; v1@20835.65,7929.09 v1(20836.65,7929.09) X2.1 C42.2
  Bottom Layer w10: v1(20096.3,7813.87) 20097.3,7812.87 20122.43,7812.87 20171.43,7861.87 20769.43,7861.87 v1(20836.65,7929.09)
XTALD: C43.2 U16.4 X2.2 | length 1081.7
  Top Layer w10: U16.4 19963.81,7850.6 20125.7,7850.6 20145.65,7830.66 v1(20181.73,7830.66) ; v1(20836.65,7830.66) X2.2 C43.2
  Bottom Layer w10: v1(20181.73,7830.66) v1(20836.65,7830.66)
pads on no net: "Universal Plug.0" "Universal Plug.2" "Universal Plug.3" "Universal Plug.6" "Universal Plug.7" *.0 K1.4 K1.6 K1.8 K2.4 K2.6 K2.8 P12.A8 P12.B8 P12.P2 P12.P3 P12.P4 STLINK1.4 STLINK1.6 STLINK1.9 STLINK1.10 U1.2 U1.14 U5.9 U6.11 U6.12 U6.13 U7.9 U7.10 U7.13 U10.9 U10.11 U11.8 U12.2 U16.11 U16.14 U16.15 U16.16 U16.17 U16.21 U16.22 U16.31 U16.38 U16.39 U16.40 U16.41
copper on no net: | length 7052.5
  Top Layer w10: 17140.13,5960.04 17160,5900 ; 17149.87,10565.08 17170,10625.03 ; 17150,5900.02 17170,5899.98 ; 17160,10625.06 17180,10625.01 ; 17164.16,7866.64 17160,5900 ; 17165.84,8658.39 17170,10625.03 ; 17180.13,5959.96 17160,5900 ; 17189.87,10564.99 17170,10625.03 ; 17369.95,11150 17370.05,11170 ; 17429.91,11139.73 17370,11160 ; 17430.09,11179.73 17370,11160 ; 18636.63,11154.29 17370,11160 ; 19428.37,11150.71 20695,11145 ; 20634.91,11125.27 20695,11145 ; 20635.09,11165.27 20695,11145 ; 20694.95,11135 20695.05,11155

## Polygon pours and split planes (outlines as drawn)
no net on Top Layer "NONET_L01_P002" (solid, pour order 2): 23743.72,9734.06
no net on Top Layer "NONET_L01_P000" (solid, pour order 0): 11385,5
"0V (M_ISO)" on Int1 (GND) (split plane): 21049.92,6946.08 17370.1,6946.08 17370.1,8414.92 20225,8414.92 20230.61,8415.24 20236.14,8416.18 20241.54,8417.73 20246.73,8419.88 20251.64,8422.6 20256.22,8425.85 20260.41,8429.59 20264.15,8433.78 20267.4,8438.36 20270.12,8443.27 20272.27,8448.46 20273.82,8453.86 20274.76,8459.39 20275.08,8465 20275.08,10679.9 21049.92,10679.9
CANS on Int1 (GND) (split plane): 20174.92,8515.08 17370.1,8515.08 17370.1,10679.9 20174.92,10679.9
"0V (S_ISO)" on Int1 (GND) (split plane): 28529.9,4820.1 21150.08,4820.1 21150.08,6895.98 21150.08,6896 21150.08,6896.02 21150.08,10679.9 28529.9,10679.9
"0V (S_ISO)" on Int1 (GND) (split plane): 21049.92,4820.1 17370.1,4820.1 17370.1,6845.92 21049.92,6845.92
"5V (M_ISO)" on Int2 (PWR) (split plane): 21049.92,6946.08 17370.1,6946.08 17370.1,8414.92 20225,8414.92 20230.61,8415.24 20236.14,8416.18 20241.54,8417.73 20246.73,8419.88 20251.64,8422.6 20256.22,8425.85 20260.41,8429.59 20264.15,8433.78 20267.4,8438.36 20270.12,8443.27 20272.27,8448.46 20273.82,8453.86 20274.76,8459.39 20275.08,8465 20275.08,10679.9 21049.92,10679.9
"5V (S_ISO)" on Int2 (PWR) (split plane): 20174.92,8515.08 17370.1,8515.08 17370.1,10679.9 20174.92,10679.9
"5V (S_ISO)" on Int2 (PWR) (split plane): 28529.9,4820.1 21150.08,4820.1 21150.08,6895.99 21150.08,6896 21150.08,6896.01 21150.08,10679.9 28529.9,10679.9
"5V (S_ISO)" on Int2 (PWR) (split plane): 21049.92,4820.1 17370.1,4820.1 17370.1,6845.92 21049.92,6845.92

## Other copper
Top Layer:
  region: 19963.76,7830.97
  text "3325.034 (mil)" at 18646.46,11118.25 h60 r359.74
  text "4725.045 (mil)" at 17200.17,7876.56 h60 r89.88
Int1 (GND) (plane layer: these items are gaps in the copper):
  lines w100: 16548,6896 21100,6896 ; 17300,8465 20225,8465 20225,10750 ; 21100,4750 21100,10800
Int2 (PWR) (plane layer: these items are gaps in the copper):
  lines w100: 16548,6896 21100,6896 ; 17300,8465 20225,8465 20225,10750 ; 21100,4750 21100,10790

## Silkscreen, mask and mechanical layers (free items; w line width, h text height)
Top Overlay:
  lines w10: 17350,10550 cw(c17500,10550) 17500,10700 ; 20900,10700 cw(c20900,10550) 21050,10550
  lines w100: 16548,6896 21100,6896 ; 17300,8465 20225,8465 20225,10750 ; 21100,4750 21100,10790